# Altium PCB zhanji_2018-4-9-1200.PcbDoc (part 2 of 3)
Units mm, origin at the board's own origin, x right, y up, seen from the top; angles counter-clockwise.
Board outline 149.99 x 106.55 mm, 4 copper layers (Component Side, Ground Plane, POWER Layer 1, Solder Side), stack 0.844 mm thick; 249 components, 233 nets, 894 pads, 277 vias.
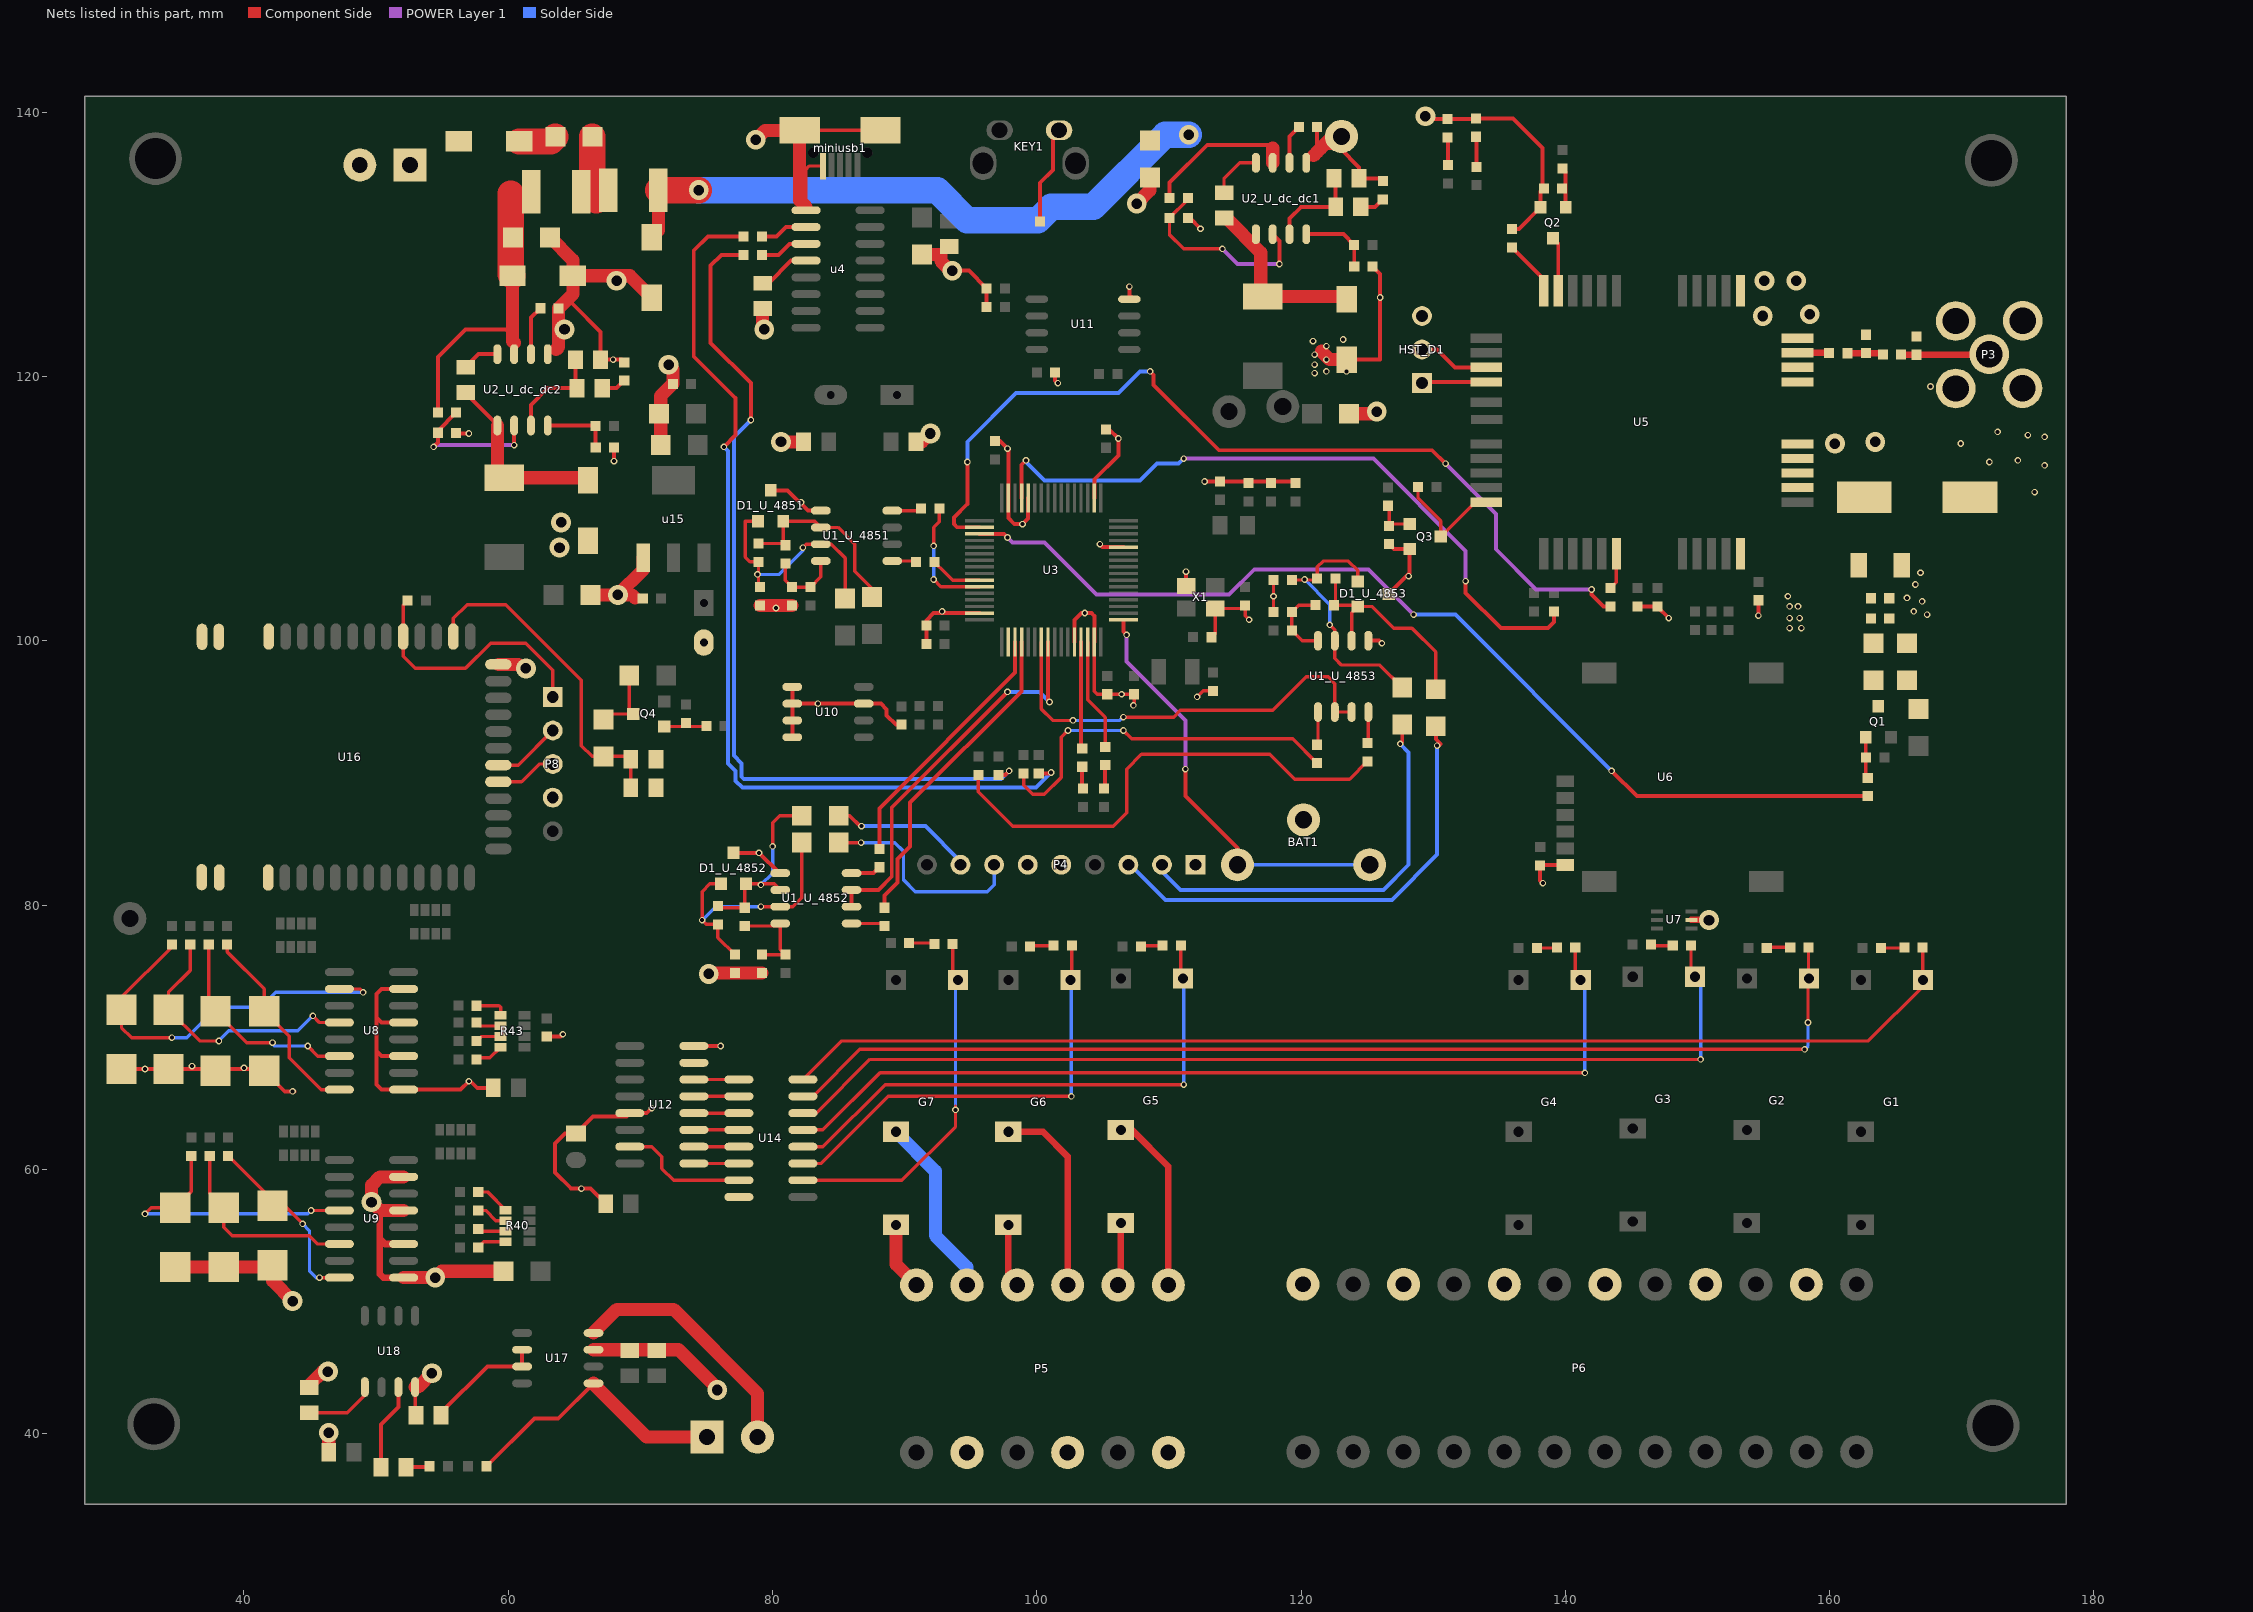
[diagram p4: the nets of this part, all layers, seen from the top]

## Via types
v1: diameter 0.5, hole 0.3, Component Side to Solder Side, 227 vias
v2: diameter 1.5, hole 0.8, Component Side to Solder Side, 50 vias

## Nets (pads, with @x,y where several pads share a name; then routed paths per layer and width w, separated by ;. In a path a pad name is that pad's centre, name@x,y a point inside that pad or via, vN(x,y) a via of type N, cw(c..) or ccw(c..) an arc to the next point about the centre after c; other vN are vias at no path point) (continued)
GND: BAT1.2 C1_U_4851.2 C1_U_4852.2 C1_U_4853.2 C2_U_dc_dc1.1 C2_U_dc_dc2.1 C4_U_dc_dc1.1 C4_U_dc_dc2.1 C6_U_dc_dc1.1 C6_U_dc_dc2.1 C7.2 C8.2 C9.1 C10.1 C11.1 C12.1 C13.1 C14.1 C15.1 C16.1 C17.1 C18.1 C19.1 C20.1 C21.1 C22.1 C23.1 C24.1 C25.1 C26.1 C27.1 C28.1 C29.2 C30.1 C31.1 C32.1 C33.1 C34.1 C35.1 C36.1 C37.2 C38.2 C39.2 C40.1 C43.2 C47.1 C48.2 C49.2 C50.1 C51.1 C52.1 C53.1 C54.1 C55.1 C56.2 C58.1 D1_U_4851.3 D1_U_4852.3 D1_U_4853.3 D2_U_dc_dc1.A D2_U_dc_dc2.A D3_U_dc_dc1.A D3_U_dc_dc2.A D4.1 D5.K D6.K D15.1 D16.1 D17.1 D18.1 D19.1 D20.1 D21.1 D39.1 HST_D1.3 KEY1.1 miniusb1.4 miniusb1.5 miniusb1.6 P3.2 P4.1 P4.5 P4.6 P5.1 P5.3 P5.5 P6.14 P6.16 P6.18 P6.20 P6.22 P6.24 P7.1 P8.4 pad.2 Q2.1 Q3.1 R4_U_4851.1 R4_U_4852.1 R4_U_4853.1 R7_U_dc_dc1.2 R7_U_dc_dc2.2 R9_U_dc_dc1.1 R9_U_dc_dc2.1 R10_U_dc_dc1.1 R10_U_dc_dc2.1 R12_U_dc_dc1.2 R12_U_dc_dc2.2 R38.2 R39.2 R56.1 R57.1 R63.1 U1_U_4851.5 U1_U_4852.5 U1_U_4853.5 U2_U_dc_dc1.5 U2_U_dc_dc2.5 U3.12 U3.18 U3.28 U3.31 U3.47 U3.60 U3.63 u4.1 U5.1 U5.31 U5.35 U5.36 U5.37 U5.38 U5.40 U6.1 U7.2 U8.9 U8.11 U8.13 U8.15 U9.9 U9.11 U9.13 U9.15 U10.1 U10.2 U10.3 U10.4 U10.7 U11.4 U12.8 U12.13 U14.8 u15.1 U16.1 U16.2 U16.3 U16.27 U16.40 U16.41 U16.42 U17.7 U18.8 X1.2 X1.4 | length 333.5
  Component Side w0.254: U18.8@52.959,43.528 52.959,41.468 C55.1@53.025,41.402 ; miniusb1.6@82.072,138.634 miniusb1.5@88.168,138.634 ; u4.1@82.538,132.842 82.538,135.712 82.76,135.934 miniusb1.4@83.82,135.934 ; U3.63@104.353,99.9 104.353,96.18 104.572,95.961 C15.1@105.334,95.961 C14.1@107.366,95.961 107.366,95.174 v1(107.315,95.123) ; v1(112.141,95.758) 112.598,96.215 C21.1@113.335,96.215 ; C7.2@113.221,100.278 113.495,100.552 X1.4@113.495,102.451 115.543,102.451 C8.2@115.772,102.679 115.772,101.906 v1(116.078,101.6) ; C1_U_4853.2@117.919,102.193 R4_U_4853.1@117.919,104.606
  Component Side w0.3: D18.1@30.734,67.6 D17.1@34.29,67.6 41.402,67.6 D15.1@41.529,67.473 43.089,65.913 v1@43.815,65.913 ; U8.11@52.082,68.58 50.419,68.58 50.038,68.961 ; U8.13@52.082,71.12 50.419,71.12 50.038,71.501 ; U8.15@52.082,73.66 50.419,73.66 50.038,73.279 50.038,71.501 ; R12_U_dc_dc2.2@56.058,115.748 56.109,115.697 v1(57.023,115.697) ; v1(57.023,66.675) 56.388,66.04 U8.9@52.082,66.04 50.419,66.04 50.038,66.421 50.038,68.961 ; v1@57.15,66.675 57.658,66.167 C38.2@58.867,66.167 ; C18.1@62.916,70.053 63.957,70.053 v1(64.135,70.231) ; 64.897,125.476 66.99,123.383 C2_U_dc_dc2.1@66.99,121.285 v1(67.945,121.285) 68.58,121.285 R7_U_dc_dc2.2@68.783,121.082 ; C43.2@67.376,57.404 66.233,58.547 64.77,58.547 63.546,59.771 63.546,61.976 64.283,62.713 R63.1@65.126,62.713 66.421,64.008 68.949,64.008 U12.13@69.203,64.262 70.485,64.262 v1(70.866,64.643) ; R10_U_dc_dc2.1@68.008,114.629 v1(68.008,113.602) v1@68.072,113.538 ; U12.8@74.053,69.342 v1(76.073,69.342) ; D1_U_4852.3@77.046,83.963 v1(78.978,83.963) 80.518,82.423 U1_U_4852.5@80.586,82.423 ; D1_U_4851.3@79.866,111.395 81.137,111.395 82.677,109.855 U1_U_4851.5@83.66,109.855 ; U10.4@81.501,92.71 U10.3@81.501,93.98 U10.2@81.501,95.25 ; U10.1@81.501,96.52 U10.2@81.501,95.25 ; C39.2@89.761,93.662 89.344,93.662 88.646,94.361 88.646,94.805 88.201,95.25 U10.7@86.901,95.25 U10.2@81.501,95.25 ; C19.1@91.643,99.771 C16.1@91.643,101.168 91.643,101.549 92.194,102.1 U3.47@95.653,102.1 ; v2(93.599,128.016) 94.858,128.016 R57.1@96.203,126.671 R56.1@96.203,125.274 ; 97.231,115.113 97.853,114.491 U3.31@97.853,110.8 97.853,109.284 98.298,108.839 v1(98.917,108.839) 99.353,109.275 U3.28@99.353,110.8 ; C13.1@100.254,131.75 100.254,134.671 101.219,135.636 101.219,138.644 KEY1.1@101.691,138.644 ; C40.1@101.397,120.32 101.397,119.71 v1(101.6,119.507) ; U3.60@102.853,99.9 102.853,101.583 103.378,102.108 104.14,102.108 104.353,101.895 U3.63@104.353,99.9 ; U3.18@104.353,110.8 104.353,112.227 106.172,114.046 v1(106.172,115.316) 105.486,116.002 C20.1@105.232,116.002 ; v1(104.775,107.315) 104.99,107.1 U3.12@106.553,107.1 ; v1@106.934,126.873 v1(107.005,126.802) U11.4@107.005,125.857 U11.4@107.188,126.04 ; X1.2@111.295,104.151 v1(111.295,105.24) ; R12_U_dc_dc1.2@111.43,132.004 111.582,132.004 v1(112.395,131.191) ; v1@112.649,112.014 v1(112.7,112.065) C12.1@113.868,112.065 C9.1@119.456,112.065 ; U2_U_dc_dc1.5@120.396,136.177 120.951,136.732 ; 121.221,137.002 R9_U_dc_dc1.1@121.221,138.886 ; 121.506,137.287 122.936,137.287 124.394,135.829 C2_U_dc_dc1.1@124.394,135.001 125.984,135.001 R7_U_dc_dc1.2@126.187,134.798 ; D3_U_dc_dc1.A@123.444,121.285 125.984,121.285 125.984,127.773 R10_U_dc_dc1.1@125.412,128.345 ; U1_U_4853.5@125.095,100.015 125.918,100.015 v1(126.111,99.822) ; D1_U_4853.3@126.635,103.555 128.222,105.142 Q3.1@128.222,106.942 127.044,106.942 R39.2@126.67,107.317 ; v2(129.413,139.7) 129.629,139.484 D6.K@131.091,139.484 133.198,139.484 D5.K@133.25,139.537 136.053,139.537 138.289,137.301 138.289,134.15 138.132,133.993 Q2.1@138.132,132.815 136.483,131.167 C36.1@135.966,131.167 ; v1(138.303,81.661) 138.1,81.864 C32.1@138.1,83.007 138.121,83.028 U6.1@140.003,83.028 ; C34.1@145.466,102.618 C33.1@146.99,102.618 146.99,102.565 v1(147.828,101.727) ; v1(154.61,101.905) C35.1@154.61,103.073 ; 50.038,68.961 50.038,71.501
  Component Side w0.5: 50.292,56.896 50.292,54.737 ; U9.9@52.082,51.816 50.546,51.816 50.292,52.07 50.292,54.737 ; U9.11@52.082,54.356 50.673,54.356 50.292,54.737 ; U7.2@149.554,78.882 150.861,78.882 v2(150.876,78.867)
  Component Side w1: D21.1@34.798,52.614 D20.1@38.481,52.614 42.037,52.614 D19.1@42.164,52.741 42.164,51.562 v2(43.688,50.038) ; C58.1@44.958,43.495 44.958,43.688 v2@45.974,44.704 ; C56.2@46.421,38.608 v2(46.421,40.071) ; U9.9@52.082,51.816 v2(54.483,51.816) 54.967,52.3 C37.2@59.636,52.3 ; U9.13@52.082,56.896 50.292,56.896 v2(49.657,57.531) 49.657,58.801 50.292,59.436 U9.15@52.082,59.436 ; U18.8@52.959,43.528 53.18,43.528 v2(54.229,44.577) ; U16.27@59.258,98.222 60.782,98.222 v2@61.087,97.917 ; C4_U_dc_dc2.1@63.173,130.531 64.897,128.806 D2_U_dc_dc2.A@64.897,127.635 ; 63.627,122.047 63.817,122.237 R9_U_dc_dc2.1@63.817,125.17 64.897,126.249 D2_U_dc_dc2.A@64.897,127.635 ; C6_U_dc_dc2.1@66.221,103.48 v2(68.301,103.48) ; U17.7@66.454,46.355 72.898,46.355 75.692,43.561 v2@75.692,43.307 ; 69.596,103.251 69.367,103.48 v2(68.301,103.48) ; u15.1@70.217,106.295 70.217,105.396 v2(68.301,103.48) ; D2_U_dc_dc1.A@70.866,125.984 69.215,127.635 D2_U_dc_dc2.A@64.897,127.635 ; D39.1@71.549,114.833 71.549,118.539 C50.1@72.466,119.456 72.466,120.574 v2(72.136,120.904) ; v2(75.184,74.803) 75.248,74.867 R4_U_4852.1@77.164,74.867 C1_U_4852.2@79.196,74.867 ; v2(78.74,137.922) 79.452,138.634 miniusb1.6@82.072,138.634 82.045,138.607 82.045,133.335 u4.1@82.538,132.842 ; R4_U_4851.1@79.069,102.679 C1_U_4851.2@81.482,102.679 ; v2@79.248,123.825 C25.1@79.248,125.161 ; v2(80.645,115.062) C24.1@82.362,115.062 ; C26.1@90.866,115.062 91.313,115.062 v2(91.948,115.697) ; C22.1@91.314,129.232 92.743,129.232 92.743,128.745 v2@93.345,128.143 ; v2(107.569,133.096) 108.56,134.087 C4_U_dc_dc1.1@108.56,135.074 ; 120.951,136.732 121.221,137.002 121.506,137.287 pad.2@122.301,138.082 ; 121.539,121.92 122.174,121.285 D3_U_dc_dc1.A@123.444,121.285 ; C6_U_dc_dc1.1@123.625,117.196 125.578,117.196 v2(125.73,117.348)
  other v1: 65.532,58.547 43.688,65.913 32.512,67.6 40.005,67.691 36.068,67.818 83.439,95.25 106.426,95.961 156.972,100.965 157.861,100.965 156.972,101.727 157.734,101.727 167.386,101.981 103.632,102.108 92.837,102.235 166.37,102.235 80.264,102.489 156.972,102.616 157.607,102.616 167.005,102.997 165.862,103.251 117.919,103.378 156.845,103.378 166.497,104.267 128.143,104.902 166.878,105.156 82.169,110.49 175.514,111.252 176.276,113.284 172.085,113.538 174.244,113.665 97.79,114.554 169.926,114.935 176.276,115.443 175.006,115.57 172.72,115.824 167.64,119.253 121.031,120.269 121.92,120.396 123.444,120.396 121.031,120.904 121.92,121.285 121.031,121.666 121.92,122.301 120.904,122.682 123.19,122.809 125.984,125.984
  other v2: 75.819,43.307 46.355,44.704 61.341,97.917 63.881,107.061 64.008,108.966 160.401,114.935 163.449,115.062 64.262,123.571 79.375,123.571 154.94,124.587 158.496,124.714 68.199,127.254 155.067,127.254 157.48,127.254
HST_RXD: HST_D1.2 U5.14 | length 5.4
  Component Side w0.3: HST_D1.2@129.159,122.047 130.302,122.047 131.648,120.701 U5.14@134.015,120.701
HST_TXD: HST_D1.1 U5.15 | length 4.9
  Component Side w0.3: HST_D1.1@129.159,119.507 129.253,119.601 U5.15@134.015,119.601
IGT2: Q2.3 U5.10 | length 4.1
  Component Side w0.3: Q2.3@139.082,130.465 139.465,130.082 U5.10@139.465,126.501
JNRST: U1_U_4852.2 U1_U_4852.3 U3.56 | length 30.4
  Component Side w0.3: U1_U_4852.2@85.986,79.883 U1_U_4852.3@85.986,81.153 88.011,81.153 89.027,82.169 89.027,87.376 v1(97.79,96.139) ; U3.56@100.853,99.9 100.853,95.489 v1(100.965,95.377)
  Solder Side w0.3: v1(97.79,96.139) 100.203,96.139 v1(100.965,95.377)
JTDI: U3.50
JTDO: U1_U_4853.2 U1_U_4853.3 U3.55 | length 32.6
  Component Side w0.254: U3.55@100.353,99.9 100.353,94.846 101.219,93.98 v1(102.743,93.98) ; v1(106.553,94.234) 110.363,94.234 110.871,94.742 117.856,94.742 120.396,97.282 122.047,97.282 122.555,96.774 U1_U_4853.2@122.555,94.615 U1_U_4853.3@123.825,94.615
  Solder Side w0.254: v1(102.743,93.98) 106.299,93.98 v1(106.553,94.234)
LED0: 
LED1: 
LED1K: sys1.K U3.61 | length 8.1
  Component Side w0.3: U3.61@103.353,99.9 103.353,91.949 sys1.K@103.443,91.859
LED2: 
LED2K: sys2.K U3.62 | length 8.5
  Component Side w0.254: U3.62@103.853,99.9 103.853,95.537 105.183,94.207 sys2.K@105.183,91.986
LED3: 
LED4: 
LED5: 
LED6: 
LED7: 
LED8: D30.K G7.1 U14.10 | length 27.5
  Component Side w0.254: U14.10@82.308,59.182 89.789,59.182 93.853,63.246 v1(93.853,64.516) 93.853,64.77 ; D30.K@93.637,77.062 93.637,74.742 G7.1@94.048,74.331
  Solder Side w0.254: v1(93.853,64.516) 93.853,74.136 G7.1@94.048,74.331
LED9: D31.K G6.1 U14.11 | length 33.9
  Component Side w0.254: U14.11@82.308,60.452 83.693,60.452 88.773,65.532 v1(102.616,65.532) ; G6.1@102.557,74.331 102.654,74.428 D31.K@102.654,76.935
  Solder Side w0.254: G6.1@102.557,74.331 102.616,74.272 v1(102.616,65.532)
LED10: D32.K G5.1 U14.12 | length 41.4
  Component Side w0.254: U14.12@82.308,61.722 83.82,61.722 88.519,66.421 v1(111.125,66.421) ; D32.K@110.909,76.935 110.909,74.615 G5.1@111.066,74.458
  Solder Side w0.254: G5.1@111.066,74.458 111.125,74.399 v1(111.125,66.421)
LED11: D33.K G4.1 U14.13 | length 70.8
  Component Side w0.254: U14.13@82.308,62.992 83.82,62.992 88.138,67.31 v1(141.478,67.31) ; D33.K@140.754,76.808 140.754,74.742 G4.1@141.165,74.331
  Solder Side w0.254: G4.1@141.165,74.331 141.478,74.018 v1(141.478,67.31)
LED12: D34.K G3.1 U14.14 | length 78.5
  Component Side w0.254: U14.14@82.308,64.262 83.312,64.262 87.376,68.326 v1(150.241,68.326) ; D34.K@149.517,76.935 149.517,74.869 G3.1@149.801,74.585
  Solder Side w0.254: G3.1@149.801,74.585 150.241,74.145 v1(150.241,68.326)
LED13: D35.K G2.1 U14.15 | length 85.1
  Component Side w0.254: U14.15@82.308,65.532 82.435,65.659 83.185,65.659 86.614,69.088 v1(158.115,69.088) ; v1(158.369,71.12) 158.369,74.39 G2.1@158.437,74.458 158.407,74.488 D35.K@158.407,76.808
  Solder Side w0.254: v1(158.115,69.088) 158.369,69.342 v1(158.369,71.12)
LED14: D36.K G1.1 U14.16 | length 90.7
  Component Side w0.254: U14.16@82.308,66.802 85.229,69.723 162.941,69.723 167.073,73.855 G1.1@167.073,74.331 167.043,74.361 D36.K@167.043,76.808
LEDS9: U12.15 U14.7 | length 9.8
  Component Side w0.254: U12.15@69.203,61.722 70.866,61.722 71.628,60.96 71.628,60.071 72.517,59.182 U14.7@77.458,59.182
LEDS10: U12.1 U14.6 | length 3.4
  Component Side w0.254: U12.1@74.053,60.452 U14.6@77.458,60.452
LEDS11: U12.2 U14.5 | length 3.4
  Component Side w0.254: U12.2@74.053,61.722 U14.5@77.458,61.722
LEDS12: U12.3 U14.4 | length 3.4
  Component Side w0.254: U12.3@74.053,62.992 U14.4@77.458,62.992
LEDS13: U12.4 U14.3 | length 3.4
  Component Side w0.254: U12.4@74.053,64.262 U14.3@77.458,64.262
LEDS14: U12.5 U14.2 | length 3.4
  Component Side w0.254: U12.5@74.053,65.532 U14.2@77.458,65.532
LEDS15: U12.6 U14.1 | length 3.4
  Component Side w0.254: U12.6@74.053,66.802 U14.1@77.458,66.802
LEDS16: U12.7
NetBAT1_1: BAT1.1 U3.1 | length 32.1
  Component Side w0.3: U3.1@106.553,101.6 106.553,100.711 v1(106.807,100.457) ; v1(111.252,90.297) 111.252,88.265 115.189,84.328 BAT1.1@115.189,83.058
  POWER Layer 1 w0.3: v1(106.807,100.457) 106.807,98.425 111.252,93.98 v1(111.252,90.297)
  Solder Side w0.3: BAT1.1@115.189,83.058 BAT1.1@125.197,83.058
NetC1_U_4851_1: C1_U_4851.1 R1_U_4851.2 R3_U_4851.1 U1_U_4851.8 | length 5.7
  Component Side w0.254: R3_U_4851.1@80.974,105.855 80.974,104.573 C1_U_4851.1@81.483,104.064 R1_U_4851.2@82.88,104.064 83.66,104.844 U1_U_4851.8@83.66,106.045
NetC1_U_4852_1: C1_U_4852.1 R1_U_4852.2 R3_U_4852.1 U1_U_4852.8 | length 7.1
  Component Side w0.254: R3_U_4852.1@77.9,78.422 80.396,78.422 U1_U_4852.8@80.586,78.613 80.586,76.64 R1_U_4852.2@80.975,76.251 C1_U_4852.1@79.197,76.251
NetC1_U_4853_1: C1_U_4853.1 R1_U_4853.2 R3_U_4853.1 U1_U_4853.8 | length 5.7
  Component Side w0.254: R3_U_4853.1@121.094,102.701 119.813,102.701 C1_U_4853.1@119.304,102.192 R1_U_4853.2@119.304,100.795 120.084,100.015 U1_U_4853.8@121.285,100.015
NetC2_U_dc_dc1_2: C2_U_dc_dc1.2 C3_U_dc_dc1.2 U2_U_dc_dc1.3 | length 7.3
  Component Side w0.3: U2_U_dc_dc1.3@119.126,130.777 119.126,131.953 120.015,132.842 C3_U_dc_dc1.2@122.621,132.842 122.621,134.874 C2_U_dc_dc1.2@122.494,135.001
NetC2_U_dc_dc2_2: C2_U_dc_dc2.2 C3_U_dc_dc2.2 U2_U_dc_dc2.3 | length 7.8
  Component Side w0.3: U2_U_dc_dc2.3@61.722,116.299 61.722,117.856 62.992,119.126 C3_U_dc_dc2.2@65.217,119.126 65.09,119.253 C2_U_dc_dc2.2@65.09,121.285
NetC3_U_dc_dc1_1: C3_U_dc_dc1.1 R7_U_dc_dc1.1 | length 1.9
  Component Side w0.3: C3_U_dc_dc1.1@124.521,132.842 125.614,132.842 R7_U_dc_dc1.1@126.186,133.413
NetC3_U_dc_dc2_1: C3_U_dc_dc2.1 R7_U_dc_dc2.1 | length 1.9
  Component Side w0.3: C3_U_dc_dc2.1@67.117,119.126 68.21,119.126 R7_U_dc_dc2.1@68.782,119.697
NetC4_U_dc_dc1_2: C4_U_dc_dc1.2 D2_U_dc_dc1.K P1_U_dc_dc1.1 R11_U_dc_dc1.1 U2_U_dc_dc1.7 | length 58.9
  Component Side w0.3: R11_U_dc_dc1.1@110.045,133.529 110.045,134.683 112.903,137.541 117.602,137.541 117.856,137.287
  Component Side w1: D2_U_dc_dc1.K@70.866,130.556 71.369,131.059 P1_U_dc_dc1.1@71.369,134.112 ; U2_U_dc_dc1.7@117.856,136.177 117.856,137.287
  Component Side w2: P1_U_dc_dc1.1@71.369,134.112 v2(74.422,134.112)
  Solder Side w2: v2(74.422,134.112) 92.456,134.112 94.742,131.826 100.076,131.826 101.092,132.842 104.267,132.842 109.728,138.303 v2(111.506,138.303)
NetC4_U_dc_dc2_2: C4_U_dc_dc2.2 D2_U_dc_dc2.K P1_U_dc_dc2.1 R11_U_dc_dc2.1 U2_U_dc_dc2.7 | length 22.3
  Component Side w0.3: R11_U_dc_dc2.1@54.673,117.273 54.673,121.475 56.769,123.571 59.817,123.571 60.325,123.063
  Component Side w1: D2_U_dc_dc2.K@60.325,127.635 60.325,123.063 60.325,122.682 60.452,122.555
  Component Side w2: 60.203,133.858 60.203,127.757 D2_U_dc_dc2.K@60.325,127.635
NetC5_U_dc_dc1_1: C5_U_dc_dc1.1 D3_U_dc_dc1.K L1_U_dc_dc1.2 U2_U_dc_dc1.1 | length 13.7
  Component Side w1: C5_U_dc_dc1.1@114.173,132.019 114.328,132.019 116.956,129.391 116.956,126.201 L1_U_dc_dc1.2@117.094,126.063 123.238,126.063 D3_U_dc_dc1.K@123.444,125.857
NetC5_U_dc_dc1_2: C5_U_dc_dc1.2 U2_U_dc_dc1.8 | length 4
  Component Side w0.254: C5_U_dc_dc1.2@114.173,133.919 114.173,135.001 115.349,136.177 U2_U_dc_dc1.8@116.586,136.177
NetC5_U_dc_dc2_1: C5_U_dc_dc2.1 D3_U_dc_dc2.K L1_U_dc_dc2.2 U2_U_dc_dc2.1 | length 14.1
  Component Side w0.3: C5_U_dc_dc2.1@56.769,118.811 56.769,118.745 59.182,116.332 U2_U_dc_dc2.1@59.182,116.299
  Component Side w1: U2_U_dc_dc2.1@59.182,116.299 59.182,112.855 L1_U_dc_dc2.2@59.69,112.347 65.834,112.347 D3_U_dc_dc2.K@66.04,112.141
NetC5_U_dc_dc2_2: C5_U_dc_dc2.2 U2_U_dc_dc2.8 | length 2.8
  Component Side w0.3: C5_U_dc_dc2.2@56.769,120.711 57.757,121.699 U2_U_dc_dc2.8@59.182,121.699
NetC25_2: C25.2 u4.4 | length 4
  Component Side w0.3: C25.2@79.248,127.061 79.69,127.061 81.407,128.778 u4.4@82.538,128.778
NetC27_2: C27.2 R21.2 R22.2 | length 2.7
  Component Side w0.5: R21.2@161.341,121.769 163.932,121.769 R22.2@164.033,121.668
NetC28_2: C28.2 P3.1 R22.1 | length 6.7
  Component Side w0.5: R22.1@165.417,121.666 172.06,121.666 P3.1@172.085,121.691
NetC29_1: C29.1 C30.2 C31.2 D4.2 R24.2 R25.2 U5.33 U5.34
NetC36_2: C36.2 U5.11 | length 4.3
  Component Side w0.3: C36.2@135.965,129.783 138.365,127.383 U5.11@138.365,126.501
NetC51_2: C51.2 C52.2 R71.2 U16.29 | length 25.1
  Component Side w0.254: U16.29@55.855,100.33 55.855,101.702 56.896,102.743 59.817,102.743 65.532,97.028 65.532,92.075 66.348,91.259 R71.2@67.208,91.259 69.081,91.259 C52.2@69.281,91.059 C51.2@69.281,88.9
NetC55_2: C55.2 U17.2 U17.3 | length 9
  Component Side w0.3: C55.2@54.925,41.402 54.925,41.59 58.42,45.085 U17.3@61.054,45.085 U17.2@61.054,46.355
NetC57_1: C57.1 U18.7 | length 6.6
  Component Side w0.3: C57.1@50.358,37.465 50.358,40.706 51.689,42.037 U18.7@51.689,43.528
NetC57_2: C57.2 R73.2 | length 1.8
  Component Side w0.3: C57.2@52.258,37.465 53.975,37.465 R73.2@54.051,37.541
NetC58_2: C58.2 U18.5 | length 5.3
  Component Side w0.254: C58.2@44.958,41.595 47.818,41.595 49.149,42.926 U18.5@49.149,43.528
NetD1_U_4851_1: D1_U_4851.1 R3_U_4851.2 R6_U_4851.2 RS2_U_4851.1 U1_U_4851.6 | length 14.4
  Component Side w0.254: R6_U_4851.2@78.943,107.366 R3_U_4851.2@80.848,107.366 ; R3_U_4851.2@80.975,107.239 R3_U_4851.2@80.848,107.366 ; RS2_U_4851.1@87.528,103.33 87.528,103.988 86.233,105.283 86.233,107.315 84.963,108.585 U1_U_4851.6@83.66,108.585 83.2,109.045 D1_U_4851.1@80.816,109.045 80.816,107.398 R3_U_4851.2@80.848,107.366
NetD1_U_4851_2: D1_U_4851.2 R4_U_4851.2 R6_U_4851.1 RS1_U_4851.1 U1_U_4851.7 | length 18
  Component Side w0.254: D1_U_4851.2@78.916,109.045 77.93,109.045 77.93,106.347 78.295,105.981 R6_U_4851.1@78.942,105.981 78.942,104.192 R4_U_4851.2@79.07,104.064 ; v1(82.296,107.061) 82.55,107.315 U1_U_4851.7@83.66,107.315 84.455,107.315 85.496,106.274 RS1_U_4851.1@85.496,103.203
  Solder Side w0.254: v1(78.867,105.029) 80.518,105.029 82.296,106.807 v1(82.296,107.061)
NetD1_U_4852_1: D1_U_4852.1 R3_U_4852.2 R6_U_4852.2 RS2_U_4852.1 U1_U_4852.6 | length 14.2
  Component Side w0.254: R6_U_4852.2@75.869,79.934 75.996,79.807 R3_U_4852.2@77.901,79.807 77.901,81.518 D1_U_4852.1@77.996,81.613 80.126,81.613 U1_U_4852.6@80.586,81.153 ; v1(80.01,84.455) 80.01,86.233 80.543,86.766 RS2_U_4852.1@82.217,86.766
  Solder Side w0.254: v1(79.121,81.534) 80.01,82.423 v1(80.01,84.455)
NetD1_U_4852_2: D1_U_4852.2 R4_U_4852.2 R6_U_4852.1 RS1_U_4852.1 U1_U_4852.7 | length 20.4
  Component Side w0.254: D1_U_4852.2@76.096,81.613 75.263,81.613 74.676,81.026 v1(74.676,78.867) 74.993,78.549 R6_U_4852.1@75.868,78.549 75.868,77.548 R4_U_4852.2@77.165,76.251 ; v1(79.121,79.883) U1_U_4852.7@80.586,79.883 81.534,79.883 82.217,80.566 RS1_U_4852.1@82.217,84.734
  Solder Side w0.254: v1(74.676,78.867) 75.692,79.883 v1(79.121,79.883)
NetD1_U_4853_1: D1_U_4853.1 R3_U_4853.2 R6_U_4853.2 RS2_U_4853.1 U1_U_4853.6 | length 16.9
  Component Side w0.254: R6_U_4853.2@122.606,104.732 122.606,102.827 R3_U_4853.2@122.479,102.7 124.19,102.7 D1_U_4853.1@124.285,102.605 ; U1_U_4853.6@123.825,100.015 123.825,102.145 D1_U_4853.1@124.285,102.605 ; RS2_U_4853.1@130.2,96.345 130.2,99.162 128.397,100.965 127,100.965 125.36,102.605 D1_U_4853.1@124.285,102.605
NetD1_U_4853_2: D1_U_4853.2 R4_U_4853.2 R6_U_4853.1 RS1_U_4853.1 U1_U_4853.7 | length 20.1
  Component Side w0.254: R4_U_4853.2@119.304,104.605 121.093,104.605 R6_U_4853.1@121.221,104.733 121.221,105.6 121.666,106.045 123.571,106.045 124.285,105.331 D1_U_4853.2@124.285,104.505 ; v1(122.174,101.219) 122.555,100.838 U1_U_4853.7@122.555,100.015 122.555,98.679 123.063,98.171 125.962,98.171 RS1_U_4853.1@127.66,96.472
  Solder Side w0.254: v1(120.269,104.648) 122.174,102.743 v1(122.174,101.219)
NetD5_A: D5.A R33.1 | length 2.3
  Component Side w0.3: D5.A@133.248,138.152 133.275,138.125 R33.1@133.275,135.879
NetD6_A: D6.A R34.1 | length 2.1
  Component Side w0.3: D6.A@131.089,138.1 131.116,138.073 R34.1@131.116,136.006
NetD7_A: D7.A R40.1 | length 2.6
  Component Side w0.254: D7.A@57.734,58.293 58.441,58.293 R40.1@59.806,56.928
NetD8_A: D8.A R40.2 | length 2.4
  Component Side w0.254: D8.A@57.734,56.896 58.293,56.896 59.061,56.128 R40.2@59.806,56.128
NetD9_A: D9.A R40.3 | length 2.1
  Component Side w0.254: D9.A@57.734,55.499 57.906,55.328 R40.3@59.806,55.328
NetD10_A: D10.A R40.4 | length 2.2
  Component Side w0.254: D10.A@57.734,54.102 58.16,54.528 R40.4@59.806,54.528
NetD11_A: D11.A R43.1 | length 2.5
  Component Side w0.254: D11.A@57.607,72.39 59.309,72.39 59.425,72.274 R43.1@59.425,71.66
NetD12_A: D12.A R43.2 | length 1.9
  Component Side w0.254: D12.A@57.607,71.12 57.868,70.86 R43.2@59.425,70.86
NetD13_A: D13.A R43.3 | length 2
  Component Side w0.254: D13.A@57.607,69.723 57.944,70.06 R43.3@59.425,70.06
NetD14_A: D14.A R43.4 | length 2.2
  Component Side w0.254: D14.A@57.607,68.326 57.734,68.453 58.618,68.453 R43.4@59.425,69.26
NetD15_2: D15.2 R44.1 U8.8 | length 15.3
  Component Side w0.254: R44.1@38.733,77.038 38.733,76.456 41.529,73.66 D15.2@41.529,71.973 43.434,70.068 43.434,68.453 45.466,66.421 45.847,66.04 U8.8@47.232,66.04
NetD16_2: D16.2 R46.1 U8.6 | length 15.8
  Component Side w0.254: R46.1@37.336,77.038 37.336,72.483 D16.2@37.846,71.973 40.223,69.596 v1(42.164,69.596) ; v1(44.831,69.342) 45.593,68.58 U8.6@47.232,68.58
  Solder Side w0.254: 42.291,69.342 v1(44.831,69.342)
NetD17_2: D17.2 R47.1 U8.4 | length 20.5
  Component Side w0.254: R47.1@35.939,77.038 35.939,75.055 34.29,73.406 D17.2@34.29,72.1 36.667,69.723 v1(38.1,69.723) ; v1(45.212,71.628) 45.72,71.12 U8.4@47.232,71.12
  Solder Side w0.254: v1(38.1,69.723) 38.862,70.485 44.069,70.485 v1(45.212,71.628)
NetD18_2: D18.2 R48.1 U8.2 | length 29.8
  Component Side w0.254: R48.1@34.542,77.038 34.542,76.833 30.734,73.025 D18.2@30.734,72.1 30.734,70.739 31.496,69.977 v1(34.544,69.977) ; U8.2@47.232,73.66 48.768,73.66 v1(49.022,73.406)
  Solder Side w0.254: v1(34.544,69.977) 35.687,69.977 37.973,72.263 41.275,72.263 42.418,73.406 v1(49.022,73.406)
NetD19_2: D19.2 R50.1 U9.8 | length 14.3
  Component Side w0.254: R50.1@38.81,61.023 42.164,57.669 D19.2@42.164,57.241 43.089,57.241 v1(44.45,55.88) ; v1(45.72,51.816) U9.8@47.232,51.816
  Solder Side w0.254: v1(44.45,55.88) 44.958,55.372 44.958,52.324 45.466,51.816 v1(45.72,51.816)
NetD20_2: D20.2 R51.1 U9.6 | length 15.1
  Component Side w0.254: R51.1@37.413,61.023 37.413,58.182 D20.2@38.481,57.114 38.481,55.626 39.116,54.991 44.958,54.991 45.593,54.356 U9.6@47.232,54.356
NetD21_2: D21.2 R52.1 U9.4 | length 21.7
  Component Side w0.254: v1(32.512,56.642) 32.984,57.114 D21.2@34.798,57.114 36.016,58.332 R52.1@36.016,61.023 ; v1(45.085,56.896) U9.4@47.232,56.896
  Solder Side w0.254: v1(32.512,56.642) 44.831,56.642 v1(45.085,56.896)
NetD22_A: 
NetD23_A: 
NetD24_A: 
NetD25_A: 
NetD26_A: 
NetD27_A: 
NetD28_A: 
NetD29_A: 
NetD30_A: D30.A R231.2 | length 1.9
  Component Side w0.254: R231.2@90.348,77.14 92.177,77.14 D30.A@92.253,77.064
NetD31_A: D31.A R232.2 | length 1.8
  Component Side w0.254: R232.2@99.492,76.886 99.543,76.937 D31.A@101.27,76.937
NetD32_A: D32.A R233.2 | length 1.7
  Component Side w0.254: R233.2@107.874,76.886 107.925,76.937 D32.A@109.525,76.937
NetD33_A: D33.A R234.2 | length 1.5
  Component Side w0.254: R234.2@137.846,76.759 139.319,76.759 D33.A@139.37,76.81
NetD34_A: D34.A R235.2 | length 1.7
  Component Side w0.254: R235.2@146.482,77.013 146.558,76.937 D34.A@148.133,76.937
NetD35_A: D35.A R236.2 | length 1.8
  Component Side w0.254: R236.2@155.245,76.759 155.296,76.81 D35.A@157.023,76.81
NetD36_A: D36.A R237.2 | length 1.8
  Component Side w0.254: R237.2@163.881,76.759 165.608,76.759 D36.A@165.659,76.81
NetD38_A: D38.A P7.2
NetD38_K: D38.K R67.2 | length 2.9
  Component Side w2: D38.K@60.833,137.795 63.218,137.795 R67.2@63.573,138.151
NetG5_3: G5.3 P5.7 | length 13.7
  Component Side w0.5: G5.3@106.366,62.978 107.202,62.978 109.957,60.223 P5.7@109.957,51.257
NetG5_4: G5.4 P5.8 | length 4.8
  Component Side w0.5: P5.8@106.147,51.257 106.366,51.477 G5.4@106.366,55.938
NetG6_3: G6.3 P5.9 | length 15
  Component Side w0.5: G6.3@97.857,62.851 100.471,62.851 102.337,60.985 P5.9@102.337,51.257
NetG6_4: G6.4 P5.10 | length 4.8
  Component Side w0.5: G6.4@97.857,55.811 97.857,51.927 P5.10@98.527,51.257
NetG7_3: G7.3 P5.11 | length 13.8
  Solder Side w1: G7.3@89.348,62.851 92.329,59.87 92.329,54.991 94.717,52.603 P5.11@94.717,51.257
NetG7_4: G7.4 P5.12 | length 5.2
  Component Side w1: G7.4@89.348,55.811 89.348,52.816 P5.12@90.907,51.257
NetP1_U_dc_dc1_2: P1_U_dc_dc1.2 P1_U_dc_dc2.2 R67.1 | length 4.9
  Component Side w2: R67.1@66.373,138.151 66.373,133.652 66.675,133.35
NetP4_2: P4.2 RS1_U_4853.2 | length 31.5
  Component Side w0.3: v1(127.508,92.202) 127.66,92.354 RS1_U_4853.2@127.66,93.672
  Solder Side w0.3: P4.2@109.474,83.058 109.474,82.55 110.871,81.153 126.238,81.153 128.143,83.058 128.143,91.567 v1(127.508,92.202)
NetP4_3: P4.3 RS2_U_4853.2 | length 36.1
  Component Side w0.3: RS2_U_4853.2@130.2,93.545 130.2,92.558 130.556,92.202 130.429,92.075 v1(130.302,92.075)
  Solder Side w0.3: P4.3@106.934,83.058 106.934,83.185 109.728,80.391 126.873,80.391 130.302,83.82 v1(130.302,92.075)
NetP4_7: P4.7 RS1_U_4852.2 | length 16.3
  Component Side w0.254: RS1_U_4852.2@85.017,84.734 v1(86.716,84.734)
  Solder Side w0.254: v1(86.716,84.734) 89.256,84.734 89.916,84.074 89.916,81.915 90.805,81.026 96.266,81.026 96.774,81.534 P4.7@96.774,83.058
NetP4_8: P4.8 RS2_U_4852.2 | length 10.8
  Component Side w0.3: RS2_U_4852.2@85.017,86.766 85.827,86.766 v1@86.614,85.979
  Solder Side w0.3: v1(86.741,85.979) 91.567,85.979 94.234,83.312 P4.8@94.234,83.058
NetP8_1: P8.1 R68.1 U16.32 | length 19.7
  Component Side w0.254: R68.1@52.387,103.049 52.045,102.707 U16.32@52.045,100.33 52.045,98.831 52.959,97.917 56.769,97.917 58.674,99.822 61.341,99.822 63.373,97.79 P8.1@63.373,95.758
NetP8_2: P8.2 U16.21 | length 5.2
  Component Side w0.254: U16.21@59.258,90.602 60.757,90.602 P8.2@63.373,93.218
NetP8_3: P8.3 U16.20 | length 4.7
  Component Side w0.254: U16.20@59.258,89.332 61.011,89.332 62.357,90.678 P8.3@63.373,90.678
NetP9_1: P9.1 U17.8 | length 19.1
  Component Side w1: U17.8@66.454,47.625 68.232,49.403 72.517,49.403 78.867,43.053 P9.1@78.867,39.751
NetP9_2: P9.2 R74.1 U17.5 | length 21
  Component Side w0.3: R74.1@58.356,37.54 58.368,37.54 61.976,41.148 63.787,41.148 U17.5@66.454,43.815
  Component Side w1: U17.5@66.454,43.815 66.454,43.782 70.485,39.751 P9.2@75.057,39.751
NetQ1_2: Q1.2 R20.2 R23.2 | length 3.1
  Component Side w0.3: Q1.2@162.736,92.714 162.736,89.792 R20.2@162.89,89.638
NetQ1_3: Q1.3 R24.1 R25.1 R26.2
NetQ2_2: Q2.2 R36.1 R38.1 | length 3
  Component Side w0.3: R36.1@139.775,135.752 140.032,135.495 Q2.2@140.032,132.815
NetQ3_2: Q3.2 R37.1 R39.1 | length 3.2
  Component Side w0.254: R37.1@126.567,110.225 126.671,110.12 R39.1@126.671,108.701 126.813,108.842 Q3.2@128.222,108.842
NetQ3_3: Q3.3 R35.2 U5.20 | length 9
  Component Side w0.254: R35.2@128.854,111.635 128.854,110.795 130.572,109.077 Q3.3@130.572,107.892 133.181,110.501 U5.20@134.015,110.501
NetQ4_2: Q4.2 R69.2 R70.2 | length 3.2
  Component Side w0.254: Q4.2@71.803,93.521 74.979,93.521 R69.2@75.006,93.548
NetQ4_3: Q4.3 R71.1 R72.2 | length 5.4
  Component Side w0.254: R71.1@67.208,94.059 67.621,94.471 Q4.3@69.453,94.471 69.161,94.763 R72.2@69.161,97.384
NetR2_U_4851_1: R2_U_4851.1 U1_U_4851.1 | length 1.9
  Component Side w0.254: U1_U_4851.1@89.135,105.97 U1_U_4851.1@89.06,106.045 90.794,106.045 R2_U_4851.1@90.868,105.97
NetR2_U_4851_2: R2_U_4851.2 U3.42 | length 4
  Component Side w0.254: R2_U_4851.2@92.253,105.969 93.066,105.156 93.091,105.156 93.647,104.6 U3.42@95.653,104.6
NetR2_U_4852_1: R2_U_4852.1 U1_U_4852.1 | length 2.6
  Component Side w0.254: U1_U_4852.1@85.986,78.613 88.276,78.613 R2_U_4852.1@88.467,78.422
NetR2_U_4852_2: R2_U_4852.2 U3.52 | length 24.4
  Component Side w0.3: R2_U_4852.2@88.468,79.807 88.468,80.721 89.477,81.73 89.477,83.508 90.424,84.455 90.424,87.757 98.853,96.186 U3.52@98.853,99.9
NetR2_U_4853_1: R2_U_4853.1 U1_U_4853.1 | length 2.5
  Component Side w0.254: R2_U_4853.1@121.21,92.138 121.285,92.213 U1_U_4853.1@121.285,94.615
NetR2_U_4853_2: R2_U_4853.2 R58.1 | length 28.2
  Component Side w0.254: R58.1@99.008,89.98 99.008,89.079 99.695,88.392 100.584,88.392 101.854,89.662 101.854,92.71 v1(102.362,93.218) ; v1(106.553,93.218) 107.188,92.583 119.38,92.583 R2_U_4853.2@121.209,90.754
  Solder Side w0.254: v1(102.362,93.218) v1(106.553,93.218)
NetR5_U_4851_1: R5_U_4851.1 U1_U_4851.4 | length 2.3
  Component Side w0.254: U1_U_4851.4@89.06,109.855 91.07,109.855 R5_U_4851.1@91.249,110.034
NetR5_U_4851_2: R5_U_4851.2 U3.43 | length 9.2
  Component Side w0.254: v1(92.202,104.648) 92.75,104.1 U3.43@95.653,104.1 ; v1(92.202,107.188) 92.202,108.585 92.634,109.017 R5_U_4851.2@92.634,110.033
  Solder Side w0.254: v1(92.202,104.648) v1(92.202,107.188)
NetR5_U_4852_1: R5_U_4852.1 U1_U_4852.4 | length 2.3
  Component Side w0.3: U1_U_4852.4@85.986,82.423 87.641,82.423 R5_U_4852.1@88.086,82.867
NetR5_U_4852_2: R5_U_4852.2 U3.51 | length 19.9
  Component Side w0.3: R5_U_4852.2@88.087,84.252 88.087,87.325 98.353,97.591 U3.51@98.353,99.9
NetR5_U_4853_1: R5_U_4853.1 U1_U_4853.4 | length 2.4
  Component Side w0.254: R5_U_4853.1@125.02,92.266 125.095,92.34 U1_U_4853.4@125.095,94.615
NetR5_U_4853_2: R5_U_4853.2 R59.1 | length 37.3
  Component Side w0.254: R59.1@95.579,89.852 95.579,88.571 98.171,85.979 105.791,85.979 106.807,86.995 106.807,90.297 107.922,91.412 117.63,91.412 119.507,89.535 123.673,89.535 R5_U_4853.2@125.019,90.881
NetR8_U_dc_dc1_1: R8_U_dc_dc1.1 R10_U_dc_dc1.2 U2_U_dc_dc1.4 | length 5.6
  Component Side w0.3: U2_U_dc_dc1.4@120.396,130.777 123.212,130.777 R8_U_dc_dc1.1@124.015,129.973 ; R10_U_dc_dc1.2@124.028,128.346 R8_U_dc_dc1.1@124.028,129.961
NetR8_U_dc_dc2_1: R8_U_dc_dc2.1 R10_U_dc_dc2.2 U2_U_dc_dc2.4 | length 5.3
  Component Side w0.3: U2_U_dc_dc2.4@62.992,116.299 66.57,116.299 R8_U_dc_dc2.1@66.611,116.257 66.611,114.643 R10_U_dc_dc2.2@66.624,114.63
NetR9_U_dc_dc1_2: R9_U_dc_dc1.2 U2_U_dc_dc1.6 | length 3
  Component Side w0.3: U2_U_dc_dc1.6@119.126,136.177 119.126,138.176 R9_U_dc_dc1.2@119.837,138.887
NetR9_U_dc_dc2_2: R9_U_dc_dc2.2 U2_U_dc_dc2.6 | length 3.8
  Component Side w0.3: U2_U_dc_dc2.6@61.722,121.699 61.722,124.46 R9_U_dc_dc2.2@62.433,125.171
NetR11_U_dc_dc1_2: R11_U_dc_dc1.2 R12_U_dc_dc1.1 U2_U_dc_dc1.2 | length 15.1
  Component Side w0.254: R11_U_dc_dc1.2@111.43,133.528 111.43,133.401 110.045,132.017 R12_U_dc_dc1.1@110.045,132.005 110.045,130.746 111.125,129.667 v1(114.046,129.667)
  Component Side w0.3: U2_U_dc_dc1.2@117.856,130.777 118.364,130.269 v1(118.364,128.524)
  POWER Layer 1 w0.3: v1(114.046,129.667) 115.189,128.524 v1(118.364,128.524)
NetR11_U_dc_dc2_2: R11_U_dc_dc2.2 R12_U_dc_dc2.1 U2_U_dc_dc2.2 | length 10.9
  Component Side w0.3: v1(54.356,114.681) 54.673,114.998 R12_U_dc_dc2.1@54.673,115.749 54.673,115.887 R11_U_dc_dc2.2@56.058,117.272 ; v1(60.452,114.808) U2_U_dc_dc2.2@60.452,116.299
  POWER Layer 1 w0.3: v1(54.356,114.681) 54.483,114.808 v1(60.452,114.808)
NetR16_2: R16.2 sys1.A | length 1.7
  Component Side w0.3: sys1.A@103.441,90.475 103.441,88.875 R16.2@103.492,88.824
NetR17_2: R17.2 sys2.A | length 1.8
  Component Side w0.3: R17.2@105.105,88.824 105.181,88.9 sys2.A@105.181,90.602
NetR18_1: R18.1 R61.1 | length 71.9
  Component Side w0.3: v1(76.327,114.681) 77.216,115.57 77.216,118.364 74.041,121.539 74.041,129.54 75.109,130.608 R18.1@77.813,130.608 ; R61.1@100.151,89.98 101.028,89.98 v1(101.092,90.043)
  Solder Side w0.3: v1(76.327,114.681) 76.639,114.369 76.639,90.73 77.216,90.153 77.216,89.408 77.724,88.9 99.949,88.9 v1(101.092,90.043)
NetR18_2: R18.2 u4.2 | length 3.6
  Component Side w0.3: R18.2@79.198,130.607 80.315,130.607 81.026,131.318 u4.2@82.538,131.318
NetR19_1: R19.1 R60.1 | length 65.1
  Component Side w0.3: R19.1@77.813,129.211 76.125,129.211 75.311,128.397 75.311,122.555 78.359,119.507 v1(78.359,116.713) ; R60.1@97.103,89.852 97.599,89.852 v1(97.917,90.17)
  Solder Side w0.3: v1(78.359,116.713) 77.089,115.443 77.089,91.313 77.666,90.736 77.666,89.72 77.851,89.535 97.282,89.535 v1(97.917,90.17)
NetR19_2: R19.2 u4.3 | length 3.7
  Component Side w0.3: R19.2@79.198,129.21 80.442,129.21 81.28,130.048 u4.3@82.538,130.048
NetR20_1: R20.1 U3.35 | length 77
  Component Side w0.3: U3.35@95.653,108.1 97.513,108.1 v1(97.79,107.823) ; v1(143.51,90.17) 145.426,88.254 R20.1@162.889,88.254
  POWER Layer 1 w0.3: v1(97.79,107.823) 98.171,107.442 100.584,107.442 104.521,103.505 114.554,103.505 116.459,105.41 125.095,105.41 v1(128.524,101.981)
  Solder Side w0.3: v1(128.524,101.981) 131.699,101.981 v1(143.51,90.17)
NetR21_1: R21.1 U5.39 | length 2.4
  Component Side w0.5: U5.39@157.565,121.801 159.926,121.801 R21.1@159.957,121.771
NetR27_1: R27.1 U5.26 | length 2.8
  Component Side w0.254: R27.1@143.435,104.002 143.865,104.432 U5.26@143.865,106.601
NetR27_2: R27.2 U3.34 | length 69.2
  Component Side w0.3: v1(94.742,113.538) 94.742,110.363 93.726,109.347 93.726,108.839 93.965,108.6 U3.34@95.653,108.6 ; v1(108.585,120.396) 108.839,120.142 108.839,119.38 113.792,114.427 129.921,114.427 v1(130.937,113.411) ; v1(141.986,103.886) 141.986,103.505 142.873,102.618 R27.2@143.434,102.618
  POWER Layer 1 w0.3: v1(130.937,113.411) 134.747,109.601 134.747,106.934 137.795,103.886 v1(141.986,103.886)
  Solder Side w0.3: v1(94.742,113.538) 94.742,115.062 98.425,118.745 106.172,118.745 107.823,120.396 v1(108.585,120.396)
NetR31_1: R31.1 U3.29 | length 52.5
  Component Side w0.3: U3.29@98.853,110.8 98.853,113.331 v1(99.187,113.665) ; v1(132.461,104.521) 132.461,103.632 135.128,100.965 138.684,100.965 139.14,101.421 R31.1@139.14,102.224
  POWER Layer 1 w0.3: v1(111.125,113.792) 125.476,113.792 132.461,106.807 v1(132.461,104.521)
  Solder Side w0.3: v1(99.187,113.665) 99.187,113.538 100.584,112.141 107.823,112.141 109.093,113.411 110.744,113.411 v1(111.125,113.792)